# Altium PCB AL1000.PcbDoc (part 8 of 8)
Units mil, origin at the board's own origin, x right, y up, seen from the top; angles counter-clockwise.
Board outline 8277.75 x 4143.89 mil, 4 copper layers (Component Side, Ground Plane, Power Plane, Solder Side), stack 33.234 mil thick; 485 components, 360 nets, 1548 pads, 394 vias.
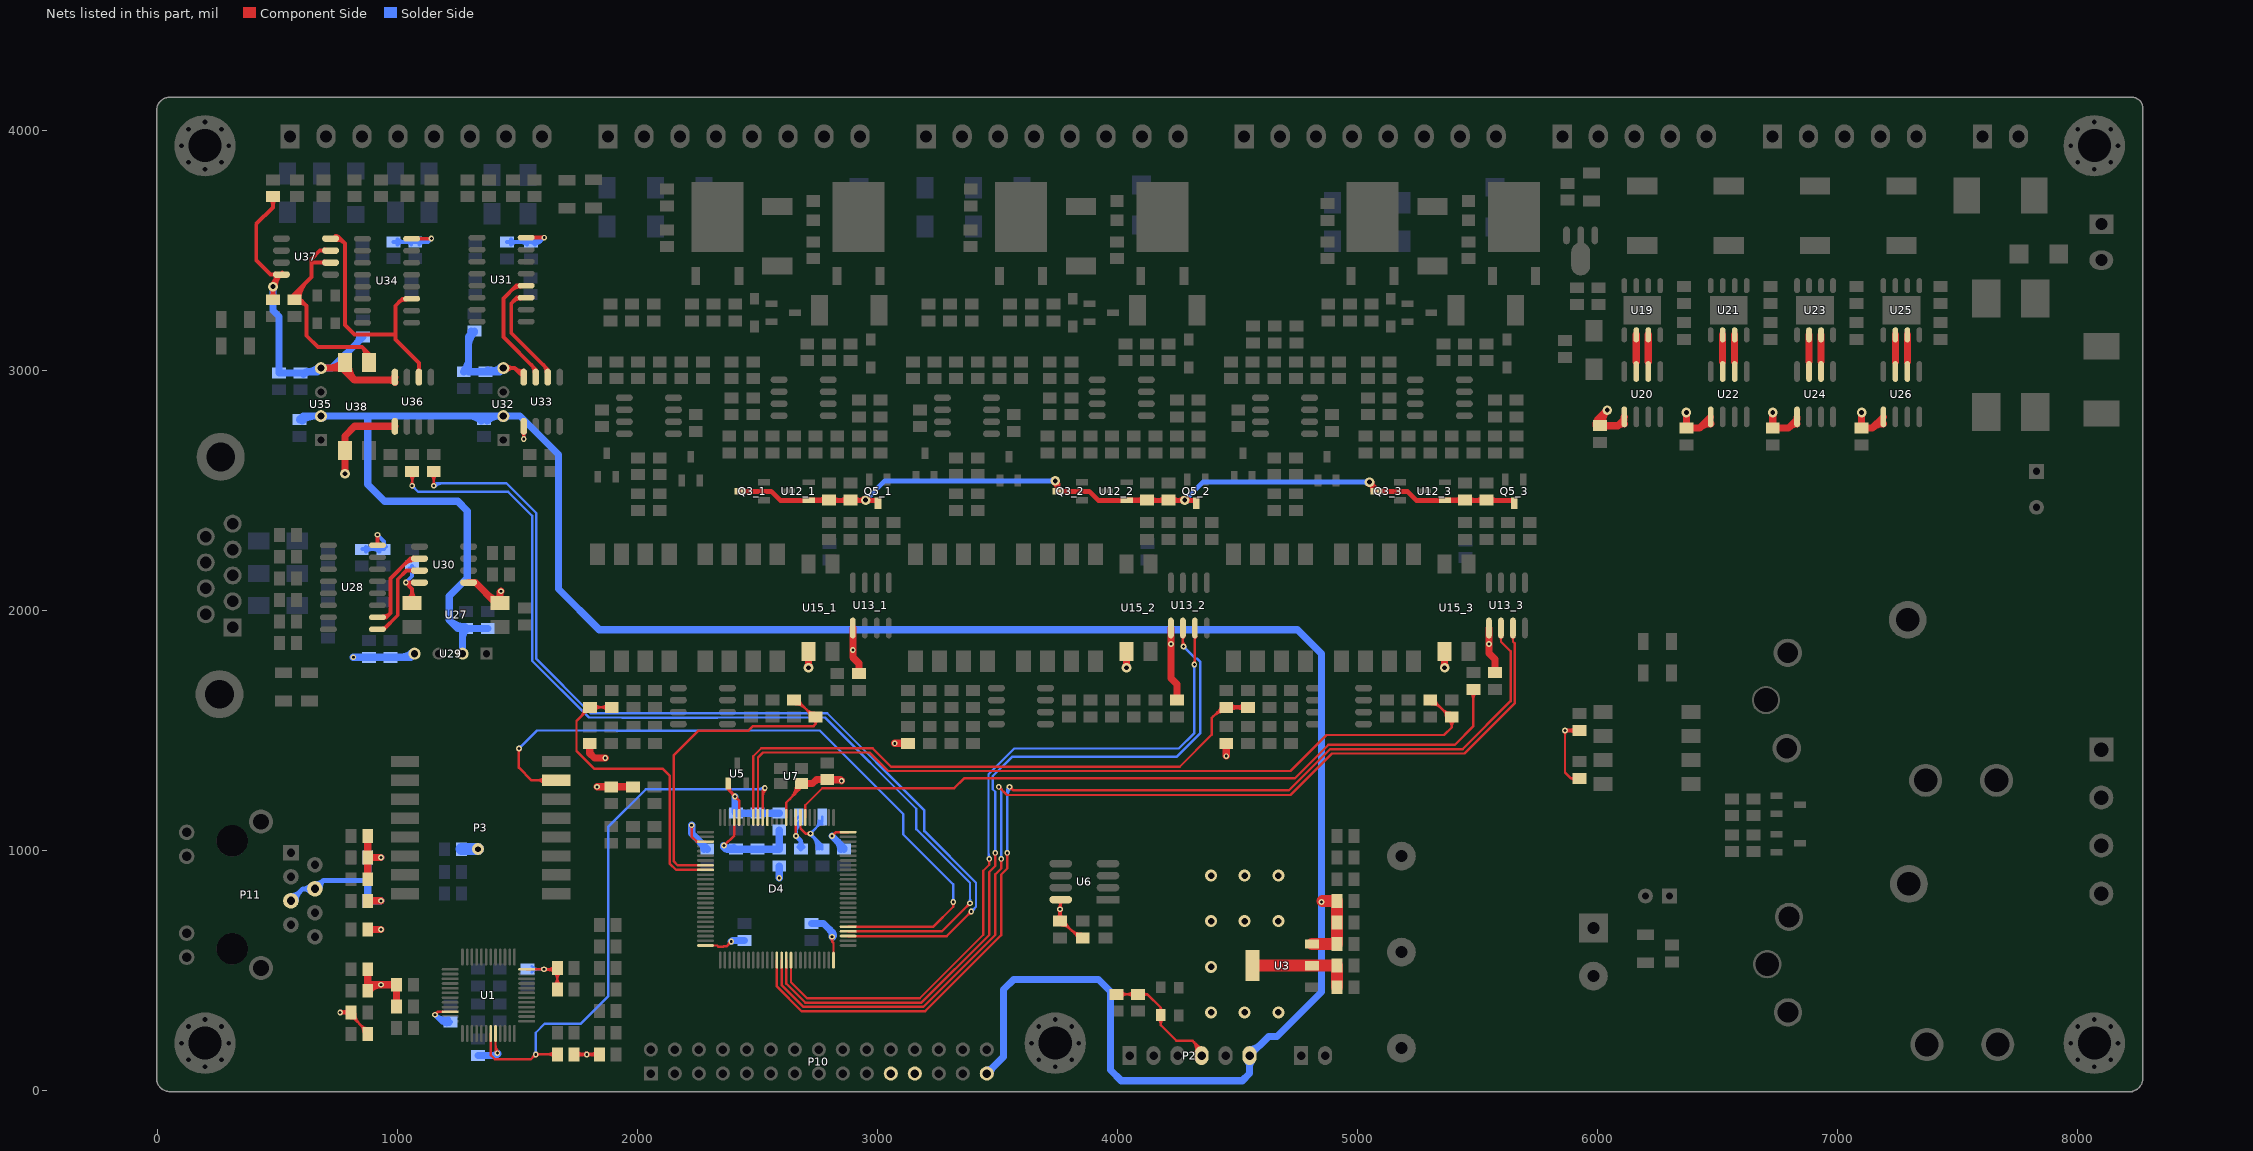
[diagram p10: the nets of this part, all layers, seen from the top]

## Via types
v1: diameter 24, hole 12, Component Side to Solder Side, tented both sides, 224 vias
v2: diameter 40, hole 20, Component Side to Solder Side, tented both sides, 140 vias
v3: diameter 50, hole 24, Component Side to Solder Side, tented both sides, 16 vias
v4: diameter 50, hole 28, Component Side to Solder Side, tented both sides, 10 vias
v5: diameter 50, hole 30, Component Side to Solder Side, tented both sides, 4 vias

## Nets (pads, with @x,y where several pads share a name; then routed paths per layer and width w, separated by ;. In a path a pad name is that pad's centre, name@x,y a point inside that pad or via, vN(x,y) a via of type N, cw(c..) or ccw(c..) an arc to the next point about the centre after c; other vN are vias at no path point) (continued)
NetR107_1: R107.1 U37.2 U37.3 U38.3 | length 1291.4
  Component Side w16: R107.1@558.94,3295.04 cw(c592.49,3295.04) 568.76,3318.76 ; R107.1@562.91,3308.07 ccw(c556.42,3320) 570,3320 ; R107.1@574.94,3295.04 cw(c647.12,3295.04) 596.08,3346.08 ; R107.1@575.8,3296.16 cw(c582.41,3271.57) 600.42,3289.58 ; R107.1@577.09,3308.07 cw(c583.58,3320) 570,3320 ; R107.1@579.95,3280.71 cw(c590.71,3240.71) 620,3270 ; R107.1@590.94,3295.04 cw(c701.74,3295.04) 623.39,3373.39 ; U37.2@694.26,3445.91 ccw(c684.39,3436.05) 684.39,3450 ccw(c684.39,3463.95) U37.2@694.26,3454.09 ; U37.3@694.26,3495.91 ccw(c684.39,3486.05) 684.39,3500 ccw(c684.39,3513.95) U37.3@694.26,3504.09 ; U37.2@720,3450 645,3450 640,3445 ; U37.3@720,3500 675,3500 640,3465 640,3445 ; U38.3@860.4,3051.81 ccw(c822.84,3068.84) 852,3098 ; 868.34,3081.66 cw(c845.32,3058.64) U38.3@874.97,3045.2 ; U38.3@880,3033.07 880,3070 852,3098 ; 570,3320 640,3390 640,3445 ; 570,3320 R107.1@570,3295.04 594.96,3295.04 620,3270 ; 620,3270 620,3145 667,3098 852,3098
NetU19_2: U19.2 U20.7 | length 113.1
  Component Side w30: U20.7@6161.77,3035.87 U19.2@6161.77,3149.02
NetU19_3: U19.3 U20.6 | length 113.1
  Component Side w30: U20.6@6211.77,3035.87 U19.3@6211.77,3149.02
NetU21_2: U21.2 U22.7 | length 113.1
  Component Side w30: U22.7@6521.77,3035.87 U21.2@6521.77,3149.02
NetU21_3: U21.3 U22.6 | length 113.1
  Component Side w30: U22.6@6571.77,3035.87 U21.3@6571.77,3149.02
NetU23_2: U23.2 U24.7 | length 113.1
  Component Side w30: U24.7@6881.77,3035.87 U23.2@6881.77,3149.02
NetU23_3: U23.3 U24.6 | length 113.1
  Component Side w30: U24.6@6931.77,3035.87 U23.3@6931.77,3149.02
NetU25_2: U25.2 U26.7 | length 113.1
  Component Side w30: U26.7@7241.77,3035.87 U25.2@7241.77,3149.02
NetU25_3: U25.3 U26.6 | length 113.1
  Component Side w30: U26.6@7291.77,3035.87 U25.3@7291.77,3149.02
NetU28_9: U28.9 U30.7 | length 397.8
  Component Side w16: U28.9@915.51,1921.34 941.34,1921.34 1000,1980 1000,2130 1036.34,2166.34 U30.7@1090.63,2166.34 ; U28.9@939.13,1925.15 ccw(c939.13,1939.67) 949.4,1929.4 ; U30.7@1064.89,2162.25 ccw(c1055.02,2152.39) 1055.02,2166.34 ccw(c1055.02,2180.29) U30.7@1064.89,2170.43
NetU28_10: U28.10 U30.6 | length 455.6
  Component Side w16: U28.10@915.51,1971.34 951.34,1971.34 970,1990 970,2133.94 1052.4,2216.34 U30.6@1090.63,2216.34 ; U28.10@939.13,1975.15 ccw(c939.13,2013.82) 966.47,1986.47 ; 1030.81,2194.75 cw(c1068.98,2156.58) U30.6@1068.98,2210.56 ; U30.6@1064.89,2212.25 ccw(c1055.02,2202.39) 1055.02,2216.34 ccw(c1055.02,2230.29) U30.6@1064.89,2220.43
NetU31_11: U31.11 U33.6 | length 510.1
  Component Side w16: 1479.82,3286.83 cw(c1511.73,3254.92) U31.11@1511.73,3300.05 ; U31.11@1535.35,3303.86 1496.85,3303.86 1472.99,3280 1472.99,3157.01 1625,3005 U33.6@1625,2972.36 ; 1607.37,3022.63 cw(c1578.75,2994.02) U33.6@1619.22,2994.02
NetU31_12: U31.12 U33.7 | length 573.7
  Component Side w16: 1474.71,3334.71 cw(c1511.73,3297.7) U31.12@1511.73,3350.05 ; U31.12@1535.35,3353.86 1493.86,3353.86 1440.47,3300.47 1440.47,3139.53 1575,3005 U33.7@1575,2972.36 ; 1557.37,3022.63 cw(c1528.75,2994.02) U33.7@1569.22,2994.02
NetU34_11: U34.11 U36.6 U37.4 | length 1187.9
  Component Side w16: U37.4@720,3550 760,3550 780,3530 ; U37.4@740.96,3560.2 cw(c742.2,3541.98) 755.11,3554.89 ; U37.4@742.05,3544.23 cw(c745.37,3495.37) 780,3530 ; U37.4@745.74,3545.91 cw(c755.61,3536.05) 755.61,3550 cw(c755.61,3563.95) U37.4@745.74,3554.09 ; 1002.52,3282.52 cw(c1034.09,3250.94) U34.11@1034.09,3295.6 ; U34.11@1057.72,3299.41 1019.41,3299.41 990,3270 990,3150 ; U36.6@1083.91,2998.1 ccw(c1074.04,3007.97) 1087.99,3007.97 ccw(c1101.95,3007.97) U36.6@1092.08,2998.1 ; U36.6@1087.99,2973.7 1087.99,3032.01 990,3130 990,3150 ; 780,3530 780,3190 820,3150 990,3150
PC0: D4.15
PC1: D4.16 R3.1 U1.31 | length 2626.7
  Component Side w10: U1.31@1387.83,236.89 1387.83,146.81 1404.64,130 1555,130 v1(1575,150) R3.1@1654.96,150 ; v1@1568,150 cw(c1551.1,150) 1563.05,138.05 cw(c1575,126.1) v1@1575,143 ; v1@1579.95,145.05 cw(c1591.9,133.1) 1591.9,150 cw(c1591.9,166.9) v1@1579.95,154.95 ; R3.1@1652.35,137.39 ccw(c1621.9,106.94) 1621.9,150 ccw(c1621.9,193.06) R3.1@1652.35,162.61 ; D4.16@2520.94,1137.24 2520.94,1250.94 ; 2520.94,1221.24 cw(c2568.76,1221.24) v1@2534.95,1255.05 ; 2520.94,1245.38 cw(c2544.62,1245.38) v1@2527.88,1262.12 ; v1@2523.16,1258.51 cw(c2515.14,1256.75) 2520.95,1250.95 ; v1@2528.51,1253.16 ccw(c2526.75,1245.14) 2520.95,1250.95 ; v1(2530,1260) 2520.94,1250.94
  Solder Side w10: v1@1570.05,154.95 ccw(c1558.1,166.9) 1575,166.9 ccw(c1591.9,166.9) v1@1579.95,154.95 ; v1(1575,150) 1575,240 1613,278 1763.36,278 1877,391.64 1877,1097.91 2034.09,1255 2525,1255 v1(2530,1260) ; 2501.03,1255 ccw(c2501.03,1288.97) v1@2525.05,1264.95
PC2: C46_3.2 D4.17 R42_3.2 | length 3649
  Component Side w10: D4.17@2501.26,1137.24 2501.26,1386.62 2522.64,1408 2965.54,1408 3042.54,1331 4720.09,1331 4870.09,1481 5361,1481 5392.95,1512.95 C46_3.2@5392.95,1556.38 5385.26,1556.38 5315.18,1626.46 R42_3.2@5302.95,1626.46 ; R42_3.2@5309.06,1608.62 cw(c5309.06,1550.78) 5349.96,1591.68 ; R42_3.2@5309.06,1618.62 cw(c5309.06,1584.92) 5332.89,1608.75 ; R42_3.2@5326.89,1626.46 ccw(c5355.16,1626.46) 5335.17,1606.47 ; 5353.69,1587.95 ccw(c5386.85,1621.11) C46_3.2@5386.85,1574.21 ; 5357.53,1584.11 cw(c5329.8,1556.38) C46_3.2@5369.02,1556.38 ; C46_3.2@5380.34,1543.77 cw(c5349.9,1513.32) 5392.95,1513.32 cw(c5436.01,1513.32) C46_3.2@5405.56,1543.77
PC3: C42_3.2 D4.18 R37_3.2 | length 2705.5
  Component Side w10: D4.18@2481.57,1137.24 2481.57,1392.39 2515.19,1426 2979,1426 3056,1349 4259,1349 4392.5,1482.5 4392.5,1552.5 4436.38,1596.38 C42_3.2@4452.95,1596.38 ; 4398.53,1558.53 cw(c4446.85,1510.2) C42_3.2@4446.85,1578.54 ; 4415.6,1575.6 cw(c4446.85,1544.35) C42_3.2@4446.85,1588.54 ; 4423.81,1583.81 ccw(c4411.24,1596.38) C42_3.2@4429.02,1596.38
  Component Side w20: C42_3.2@4452.95,1596.38 R37_3.2@4542.95,1596.38 ; C42_3.2@4468.13,1587.3 cw(c4490.04,1565.39) 4490.04,1596.38 cw(c4490.04,1627.36) C42_3.2@4468.13,1605.45 ; R37_3.2@4527.78,1587.3 ccw(c4505.86,1565.39) 4505.86,1596.38 ccw(c4505.86,1627.36) R37_3.2@4527.78,1605.45
PC4: C46_1.2 D4.33 R42_1.2 | length 1570.5
  Component Side w10: D4.33@2282.76,938.43 2166.22,938.43 2151,953.64 2151,1397.37 2251.63,1498 2459.91,1498 2479.91,1518 2733,1518 2741.77,1526.77 ; R42_1.2@2651.77,1626.46 2664,1626.46 2734.08,1556.38 C46_1.2@2741.77,1556.38 2741.77,1526.77 ; R42_1.2@2657.87,1608.62 cw(c2657.87,1550.78) 2698.78,1591.68 ; R42_1.2@2657.87,1618.62 cw(c2657.87,1584.92) 2681.71,1608.75 ; R42_1.2@2675.71,1626.46 ccw(c2703.98,1626.46) 2683.99,1606.47 ; 2702.51,1587.95 ccw(c2735.67,1621.11) C46_1.2@2735.67,1574.21 ; 2706.35,1584.11 cw(c2678.62,1556.38) C46_1.2@2717.83,1556.38 ; C46_1.2@2733.43,1540.61 cw(c2726.12,1526.77) 2741.77,1526.77 ; C46_1.2@2750.11,1540.61 ccw(c2757.43,1526.77) 2741.77,1526.77
PC5: C42_1.2 D4.34 R37_1.2 | length 1481.8
  Component Side w10: 1760.91,1555.52 ccw(c1720.05,1596.38) C42_1.2@1777.83,1596.38 ; 1775.64,1570.25 cw(c1795.67,1550.22) C42_1.2@1795.67,1578.54 ; 1777.98,1572.59 ccw(c1754.19,1596.38) C42_1.2@1787.83,1596.38 ; C42_1.2@1820.49,1583.77 cw(c1850.93,1553.32) 1850.93,1596.38 cw(c1850.93,1639.43) C42_1.2@1820.49,1608.99 ; R37_1.2@1873.06,1583.77 ccw(c1842.61,1553.32) 1842.61,1596.38 ccw(c1842.61,1639.43) R37_1.2@1873.06,1608.99 ; R37_1.2@1891.77,1596.38 C42_1.2@1801.77,1596.38 1745,1539.61 1745,1415 1820,1340 2105,1340 2133,1312 2133,946.19 2160.45,918.74 D4.34@2282.76,918.74
PC6: D4.63 U13_3.2 | length 4587.3
  Component Side w10: D4.63@2580,542.76 2580,433.28 2683.28,330 3197.72,330 3515,647.28 3515,899.54 3540,924.54 v1(3540,990) ; v1@3535.05,985.05 cw(c3523.1,973.1) 3540,973.1 cw(c3556.9,973.1) v1@3544.95,985.05 ; v1@3550,1258 cw(c3550,1241.1) 3561.95,1253.05 cw(c3573.9,1265) v1@3557,1265 ; v1(3550,1265) 3565,1250 4713.63,1250 4885.63,1422 5437.9,1422 5638,1622.1 5638,1829.95 5597.95,1870 U13_3.2@5597.95,1926.93 ; U13_3.2@5593.14,1890.62 cw(c5581.51,1878.99) 5597.95,1878.99 cw(c5614.4,1878.99) U13_3.2@5602.77,1890.62
  Solder Side w10: v1@3535.05,994.95 ccw(c3523.1,1006.9) 3540,1006.9 ccw(c3556.9,1006.9) v1@3544.95,994.95 ; v1(3540,990) 3540,1255 v1(3550,1265) ; 3540,1223.96 cw(c3591.04,1223.96) v1@3554.95,1260.05 ; 3540,1248.1 cw(c3566.9,1248.1) v1@3547.88,1267.12
PC7: D4.64 U13_3.3 | length 4532.7
  Component Side w10: D4.64@2599.68,542.76 2599.68,439.05 2690.73,348 3190.27,348 3490,647.73 3490,900 3515,925 v1(3515,965) ; v1@3505,1258 cw(c3505,1241.1) 3516.95,1253.05 cw(c3528.9,1265) v1@3512,1265 ; v1(3505,1265) 3539,1231 4720.09,1231 4893.09,1404 5445.35,1404 5656,1614.65 5656,1861.95 5647.95,1870 U13_3.3@5647.95,1926.93 ; v1@3510.05,960.05 cw(c3498.1,948.1) 3515,948.1 cw(c3531.9,948.1) v1@3519.95,960.05 ; U13_3.3@5643.14,1890.62 cw(c5631.51,1878.99) 5647.95,1878.99 cw(c5664.4,1878.99) U13_3.3@5652.77,1890.62
  Solder Side w10: v1(3505,1265) 3515,1255 v1(3515,965) ; v1@3510.05,969.95 ccw(c3498.1,981.9) 3515,981.9 ccw(c3531.9,981.9) v1@3519.95,969.95
PC8: D4.65 U13_2.2 | length 3306.9
  Component Side w10: D4.65@2619.37,542.76 2619.37,444.82 2698.19,366 3182.81,366 3465,648.19 3465,910 3490,935 v1(3490,990) ; v1@3485.05,985.05 cw(c3473.1,973.1) 3490,973.1 cw(c3506.9,973.1) v1@3494.95,985.05 ; U13_2.2@4267.55,1890.62 cw(c4255.92,1878.99) 4272.36,1878.99 cw(c4288.81,1878.99) U13_2.2@4277.18,1890.62 ; v1@4272.36,1850 U13_2.2@4272.36,1926.93 ; 4272.36,1873.27 ccw(c4298.27,1873.27) v1@4279.95,1854.95
  Solder Side w10: v1@3485.05,994.95 ccw(c3473.1,1006.9) 3490,1006.9 ccw(c3506.9,1006.9) v1@3494.95,994.95 ; v1@3488,992 v1(3490,990) 3490,1244.64 3480,1254.64 3480,1310 3560,1390 4245.46,1390 4345,1489.54 4345,1785.36 4330.36,1800 4325,1800 v1(4275,1850) ; v1@4275,1843 cw(c4275,1826.1) 4286.95,1838.05 cw(c4298.9,1850) v1@4282,1850
PC9: D4.66 U13_2.3 | length 3197
  Component Side w10: D4.66@2639.06,542.76 2639.06,450.59 2705.64,384 3175.35,384 3440,648.65 3440,915 3465,940 v1(3465,965) ; v1@3460.05,960.05 cw(c3448.1,948.1) 3465,948.1 cw(c3481.9,948.1) v1@3469.95,960.05 ; v1@4315.05,1779.95 ccw(c4297.4,1797.6) 4322.36,1797.6 ; U13_2.3@4317.55,1890.62 cw(c4305.92,1878.99) 4322.36,1878.99 cw(c4338.81,1878.99) U13_2.3@4327.18,1890.62 ; v1@4322.36,1775 U13_2.3@4322.36,1926.93
  Solder Side w10: 3462,989.14 ccw(c3489.14,989.14) v1@3469.95,969.95 ; v1(3465,965) 3462,968 3462,1317.46 3569.54,1425 4255,1425 4320,1490 v1(4320,1775) ; v1@4315.05,1770.05 cw(c4303.1,1758.1) 4320,1758.1 cw(c4336.9,1758.1) v1@4324.95,1770.05
PC10: D4.78 R102.2 | length 4312.7
  Component Side w10: R102.2@1137.39,2567.35 cw(c1106.94,2536.9) 1150,2536.9 ; v1@1145.05,2524.95 ccw(c1133.1,2536.9) 1150,2536.9 ; v1(1150,2520) R102.2@1150,2579.96 ; v1@1154.95,2524.95 cw(c1166.9,2536.9) 1150,2536.9 ; R102.2@1162.61,2567.35 ccw(c1193.06,2536.9) 1150,2536.9 ; D4.78@2877.24,643.15 3288.15,643.15 v1(3390,745) ; v1@3383,745 cw(c3366.1,745) 3378.05,733.05 cw(c3390,721.1) v1@3390,738
  Solder Side w10: v1@1147.88,2522.12 cw(c1166.9,2503.1) 1166.9,2530 ; v1(1150,2520) 1160,2530 1453.09,2530 1578,2405.09 1578,1797.91 1803.91,1572 1942.46,1572 1943.04,1571.42 2325.26,1571.42 2325.85,1572 2790.09,1572 3195,1167.09 3195,1080.47 3410,865.47 3410,765 v1(3390,745) ; v1@1154.95,2515.05 cw(c1191.04,2478.96) 1191.04,2530 ; v1@3390,752 ccw(c3390,768.9) 3401.95,756.95 ccw(c3413.9,745) v1@3397,745
PC11: D4.79 R101.1 | length 4290
  Component Side w10: R101.1@1047.39,2567.35 cw(c1016.94,2536.9) 1060,2536.9 ; v1@1055.05,2524.95 ccw(c1043.1,2536.9) 1060,2536.9 ; v1(1060,2520) R101.1@1060,2579.96 ; v1@1064.95,2524.95 cw(c1076.9,2536.9) 1060,2536.9 ; R101.1@1072.61,2567.35 ccw(c1103.06,2536.9) 1060,2536.9 ; D4.79@2877.24,662.83 3267.83,662.83 v1(3385,780) ; v1@3378,780 cw(c3361.1,780) 3373.05,768.05 cw(c3385,756.1) v1@3385,773
  Solder Side w10: v1@1060,2513 cw(c1060,2496.1) 1071.95,2508.05 cw(c1083.9,2520) v1@1067,2520 ; v1(1060,2520) 1085,2495 1460,2495 1560,2395 1560,1790.46 1796.46,1554 1935,1554 1935.58,1553.42 2332.72,1553.42 2333.3,1554 2781,1554 3161,1174 3161,1089.01 3385,865.01 v1(3385,780) ; v1@3380.05,784.95 ccw(c3368.1,796.9) 3385,796.9 ccw(c3401.9,796.9) v1@3389.95,784.95
PC12: D4.80 P3.15 | length 3156.3
  Component Side w10: v1@1500.05,1420.05 cw(c1488.1,1408.1) 1505,1408.1 cw(c1521.9,1408.1) v1@1509.95,1420.05 ; v1(1505,1425) 1505,1345 1558.15,1291.85 P3.15@1659.96,1291.85 ; P3.15@1611.36,1278.68 ccw(c1579.57,1246.89) 1579.57,1291.85 ccw(c1579.57,1336.81) P3.15@1611.36,1305.02 ; D4.80@2877.24,682.52 3232.52,682.52 3315,765 v1(3315,785) ; v1@3310.05,780.05 cw(c3298.1,768.1) 3315,768.1 cw(c3331.9,768.1) v1@3319.95,780.05
  Solder Side w10: v1(1505,1425) 1580,1500 1912.63,1500 1913.22,1499.42 2355.09,1499.42 2355.67,1500 2758.63,1500 3107,1151.63 3107,1066.65 3315,858.65 v1(3315,785) ; v1@1505,1432 ccw(c1505,1448.9) 1516.95,1436.95 ccw(c1528.9,1425) v1@1512,1425 ; v1@3310.05,789.95 ccw(c3298.1,801.9) 3315,801.9 ccw(c3331.9,801.9) v1@3319.95,789.95
PC13: D4.7 R67_3.1 | length 3193.4
  Component Side w10: D4.7@2698.11,1137.24 2698.11,1188.11 2769,1259 3319,1259 3360,1300 4738.18,1300 4878.18,1440 5405,1440 5482.95,1517.95 R67_3.1@5482.95,1671.38 ; R67_3.1@5470.34,1658.77 cw(c5439.9,1628.32) 5482.95,1628.32 cw(c5526.01,1628.32) R67_3.1@5495.56,1658.77
PC14: C30.1 D4.8 Y1.2 | length 612.7
  Component Side w10: D4.8@2678.43,1137.24 2678.43,1091.57 2700,1070 v1(2720,1070) ; v1@2715.05,1065.05 ccw(c2703.1,1053.1) 2703.1,1070 ccw(c2703.1,1086.9) v1@2715.05,1074.95
  Solder Side w10: v1@2718.21,1063.23 cw(c2713.87,1046.9) 2728.49,1055.38 cw(c2743.1,1063.87) v1@2726.77,1068.21 ; v1@2720,1063 cw(c2720,1046.1) 2731.95,1058.05 cw(c2743.9,1070) 2727,1070 cw(c2743.9,1070) 2731.95,1081.95 cw(c2720,1093.9) v1@2720,1077 ; 2736.63,1053.37 cw(c2689.69,1006.43) C30.1@2756.06,1005.19 ; 2740.58,1090.58 ccw(c2706.91,1124.25) Y1.2@2754.53,1124.25 ; C30.1@2746.07,1005.37 ccw(c2657.04,1007.04) v1(2720,1070) ; 2752.75,1102.75 cw(c2769.21,1086.28) Y1.2@2769.21,1109.57 ; 2753.26,1036.74 cw(c2722.34,1005.82) C30.1@2766.06,1005 ; Y1.2@2757.65,1107.65 ccw(c2741.05,1124.25) Y1.2@2764.53,1124.25 ; Y1.2@2769.21,1140 2769.21,1119.21 v1(2720,1070) ; C30.1@2770,1005.04 2770,1020 v1(2720,1070)
PC15: C29.2 D4.9 Y1.1 | length 448.4
  Component Side w10: v1@2655.05,1064.95 ccw(c2646.14,1073.86) 2658.74,1073.86 ; 2658.74,1079.94 ccw(c2679.94,1079.94) v1@2664.95,1064.95 ; D4.9@2658.74,1137.24 2658.74,1061.26 v1(2660,1060)
  Solder Side w10: v1@2655.05,1064.95 ccw(c2643.1,1076.9) 2660,1076.9 ccw(c2676.9,1076.9) v1@2664.95,1064.95 ; v1@2656.5,1066.06 ccw(c2649.27,1078.59) 2663.24,1074.84 ; v1(2660,1060) 2660,1129.21 Y1.1@2670.79,1140 ; v1@2660,1062.76 cw(c2732.28,1062.76) Y1.1@2681.17,1113.87 ; 2660,1086.9 cw(c2708.14,1086.9) Y1.1@2674.1,1120.94 ; 2664.13,1078.17 ccw(c2682.81,1073.17) v1@2666.06,1063.5
  Solder Side w20: v1(2660,1060) 2680,1040 C29.2@2680,1005.04 ; C29.2@2670.92,1014.11 ccw(c2649.01,1036.02) 2680,1036.02 ccw(c2710.99,1036.02) C29.2@2689.08,1014.11
REF2V5: C50_1.2 C50_2.2 C50_3.2 Q3_1.3 Q3_2.3 Q3_3.3 Q5_1.3 Q5_2.3 Q5_3.3 R45_1.1 R45_2.1 R45_3.1 U12_1.1 U12_2.1 U12_3.1 | length 4966.7
  Component Side w20: Q3_1.3@2427.56,2496.38 2556.77,2496.38 2594.17,2458.98 U12_1.1@2713.11,2458.98 ; 2753.98,2458.98 ccw(c2753.98,2498.03) 2781.59,2470.41 cw(c2759.68,2492.32) 2759.68,2461.34 cw(c2759.68,2430.35) 2781.59,2452.26 ccw(c2765.39,2436.06) 2765.39,2458.98 ; C50_1.2@2796.77,2461.34 2715.47,2461.34 U12_1.1@2713.11,2458.98 ; C50_1.2@2811.95,2452.26 cw(c2828.16,2436.06) 2828.16,2458.98 ; C50_1.2@2811.95,2470.41 ccw(c2839.56,2498.03) 2839.56,2458.98 ; 2843.98,2458.98 ccw(c2843.98,2498.03) R45_1.1@2871.59,2470.41 ; 2855.39,2458.98 cw(c2855.39,2436.06) R45_1.1@2871.59,2452.26 ; R45_1.1@2901.95,2452.26 cw(c2918.16,2436.06) 2918.16,2458.98 ; R45_1.1@2901.95,2470.41 ccw(c2929.56,2498.03) 2929.56,2458.98 ; 2923.39,2458.98 ccw(c2923.39,2486.61) v2@2942.93,2467.07 ; 2928.33,2458.98 cw(c2928.33,2438.33) v2@2942.93,2452.93 ; v2@2957.07,2452.93 cw(c2971.67,2438.33) 2971.67,2458.98 ; v2@2957.07,2467.07 ccw(c2976.61,2486.61) 2976.61,2458.98 ; Q5_1.3@3001.77,2447.17 2989.96,2458.98 2796.77,2458.98 U12_1.1@2713.11,2458.98 ; v2@3734.1,2531.92 cw(c3706.75,2494.44) Q3_2.3@3753.15,2494.44 ; v2(3740,2540) 3753.15,2526.85 Q3_2.3@3753.15,2496.38 3882.36,2496.38 3919.76,2458.98 U12_2.1@4038.7,2458.98 ; 4079.57,2458.98 ccw(c4079.57,2498.03) 4107.18,2470.41 cw(c4085.27,2492.32) 4085.27,2461.34 cw(c4085.27,2430.35) 4107.18,2452.26 ccw(c4090.98,2436.06) 4090.98,2458.98 ; C50_2.2@4122.36,2461.34 4041.06,2461.34 U12_2.1@4038.7,2458.98 ; C50_2.2@4137.54,2452.26 cw(c4153.75,2436.06) 4153.75,2458.98 ; C50_2.2@4137.54,2470.41 ccw(c4165.15,2498.03) 4165.15,2458.98 ; 4169.57,2458.98 ccw(c4169.57,2498.03) R45_2.1@4197.18,2470.41 ; 4180.98,2458.98 cw(c4180.98,2436.06) R45_2.1@4197.18,2452.26 ; R45_2.1@4227.54,2452.26 cw(c4243.75,2436.06) 4243.75,2458.98 ; R45_2.1@4227.54,2470.41 ccw(c4255.15,2498.03) 4255.15,2458.98 ; 4253.39,2458.98 ccw(c4253.39,2486.61) v2@4272.93,2467.07 ; 4258.33,2458.98 cw(c4258.33,2438.33) v2@4272.93,2452.93 ; v2@4287.07,2452.93 cw(c4301.67,2438.33) 4301.67,2458.98 ; v2@4287.07,2467.07 ccw(c4306.61,2486.61) 4306.61,2458.98 ; Q5_2.3@4327.36,2447.17 4315.55,2458.98 4212.36,2458.98 U12_2.1@4038.7,2458.98 ; v2@5047.41,2525.34 cw(c5041.16,2502.02) 5062.07,2514.09 cw(c5082.98,2526.16) v2@5059.66,2532.41 ; v2@5050,2525 cw(c5050,2500.86) 5067.07,2517.93 cw(c5084.14,2535) v2@5060,2535 ; Q3_3.3@5064.15,2496.67 ccw(c5015.49,2500.49) v2(5050,2535) 5078.74,2506.26 Q3_3.3@5078.74,2496.38 5207.95,2496.38 5245.35,2458.98 U12_3.1@5364.29,2458.98 ; Q3_3.3@5080.69,2504.31 cw(c5072.4,2496.03) Q3_3.3@5084.08,2495.11 ; 5405.16,2458.98 ccw(c5405.16,2498.03) 5432.78,2470.41 cw(c5410.86,2492.32) 5410.86,2461.34 cw(c5410.86,2430.35) 5432.78,2452.26 ccw(c5416.57,2436.06) 5416.57,2458.98 ; C50_3.2@5447.95,2461.34 5366.65,2461.34 U12_3.1@5364.29,2458.98 ; C50_3.2@5463.13,2452.26 cw(c5479.34,2436.06) 5479.34,2458.98 ; C50_3.2@5463.13,2470.41 ccw(c5490.74,2498.03) 5490.74,2458.98 ; 5495.16,2458.98 ccw(c5495.16,2498.03) R45_3.1@5522.78,2470.41 ; 5506.57,2458.98 cw(c5506.57,2436.06) R45_3.1@5522.78,2452.26 ; R45_3.1@5553.13,2452.26 cw(c5569.34,2436.06) 5569.34,2458.98 ; R45_3.1@5553.13,2470.41 ccw(c5580.74,2498.03) 5580.74,2458.98 ; Q5_3.3@5652.95,2447.17 5641.14,2458.98 U12_3.1@5364.29,2458.98
  Solder Side w20: v2(2950,2460) 3030,2540 v2(3740,2540) ; v2@2950,2470 ccw(c2950,2494.14) 2967.07,2477.07 ccw(c2984.14,2460) v2@2960,2460 ; v2@3732.93,2532.93 ccw(c3715.86,2515.86) 3715.86,2540 ccw(c3715.86,2564.14) v2@3732.93,2547.07 ; v2(4280,2460) 4355,2535 v2(5050,2535) ; v2@4280,2470 ccw(c4280,2494.14) 4297.07,2477.07 ccw(c4314.14,2460) v2@4290,2460 ; v2@5042.93,2527.93 ccw(c5025.86,2510.86) 5025.86,2535 ccw(c5025.86,2559.14) v2@5042.93,2542.07
RS5V1: C72.1 C74.1 C75.1 C78.1 C79.2 U27.1 U28.16 U29.4 U30.8 | length 1074.4
  Component Side w16: U28.16@915.51,2271.34 v1(915.51,2315.51) ; U27.1@1044.7,2046.56 ccw(c1007.95,2083.31) 1059.92,2083.31 ccw(c1111.89,2083.31) U27.1@1075.14,2046.56 ; U27.1@1059.92,2031.34 1059.92,2090.08 v1(1033.66,2116.34) U30.8@1090.63,2116.34 ; U30.8@1064.89,2112.25 ccw(c1055.02,2102.39) 1055.02,2116.34 ccw(c1055.02,2130.29) U30.8@1064.89,2120.43
  Solder Side w16: C72.1@852.99,2256.38 942.99,2256.38 942.99,2288.03 ; C72.1@866.59,2244.55 cw(c895.15,2215.99) 895.15,2256.38 ; C72.1@866.59,2265.53 ccw(c888.68,2287.62) 888.68,2256.38 ; 894.85,2256.38 cw(c894.85,2215.99) C74.1@923.41,2244.55 ; 901.32,2256.38 ccw(c901.32,2287.62) C74.1@923.41,2265.53 ; v1(915.51,2315.51) 942.99,2288.03 ; C74.1@931.87,2267.45 ccw(c918.39,2288.03) 942.99,2288.03 ; 942.99,2283.63 ccw(c968.59,2283.63) C74.1@950.49,2265.53 ; v1(1033.66,2116.34) 1060,2142.68 C75.1@1060,2184.96 ; C75.1@1049.51,2174.47 cw(c1024.19,2149.15) 1060,2149.15 cw(c1095.81,2149.15) C75.1@1070.49,2174.47
  Solder Side w30: v1(814.96,1804.96) C79.2@880,1804.96 C78.1@970,1804.96 1054.96,1804.96 U29.4@1070,1820 ; 1009.55,1804.96 ccw(c1009.55,1880.45) U29.4@1062.93,1827.07
RS5V2: C83.1 C85.1 C86.1 C88.1 C89.2 U31.16 U32.4 U33.8 | length 1307.8
  Component Side w16: U32.4@1440,3010 1450,3000 1460,3010 1487.36,3010 ; U32.4@1452.02,2997.98 cw(c1481.04,2968.96) 1481.04,3010 cw(c1481.04,3051.04) U32.4@1452.02,3022.02 ; 1507.7,2989.66 ccw(c1522.55,3004.5) U33.8@1527.33,2984.06 ; U33.8@1523.68,2999.64 cw(c1514.83,3037.47) 1487.36,3010 ; U33.8@1525,2972.36 1487.36,3010 ; U33.8@1528.04,2969.32 ccw(c1530.26,2971.54) U33.8@1530.97,2968.48 ; U31.16@1535.35,3553.86 v1(1610.47,3553.86)
  Solder Side w16: C83.1@1455,3535.04 1591.65,3535.04 ; C83.1@1471.59,3524.55 cw(c1496.92,3499.23) 1496.92,3535.04 cw(c1496.92,3570.85) C83.1@1471.59,3545.53 ; 1512.99,3535.04 ccw(c1512.99,3570.99) C88.1@1538.41,3545.57 ; 1513.18,3535.04 cw(c1513.18,3499.36) C88.1@1538.41,3524.59 ; C88.1@1560.53,3534.06 ccw(c1574.83,3559.6) 1595.52,3538.91 ; C88.1@1568.35,3548.02 ccw(c1585.55,3578.77) v1(1610.47,3553.86) 1591.65,3535.04 ; C88.1@1572.74,3525.88 cw(c1591.65,3510.94) 1591.65,3535.04 ; C88.1@1572.78,3544.23 ccw(c1591.65,3559.01) 1591.65,3535.04